# Altium PCB PCB.PcbDoc (part 4 of 4)
Units mm, origin at the board's own origin, x right, y up, seen from the top; angles counter-clockwise.
Board outline 133.1 x 64.1 mm, 6 copper layers (Top Layer, L02_GND1, L03_PWR1, L04_PWR2, L05_GND2, Bottom Layer), stack 2.464 mm thick; 295 components, 194 nets, 953 pads, 663 vias.
Unrouted connection lines stored in the file: 127.
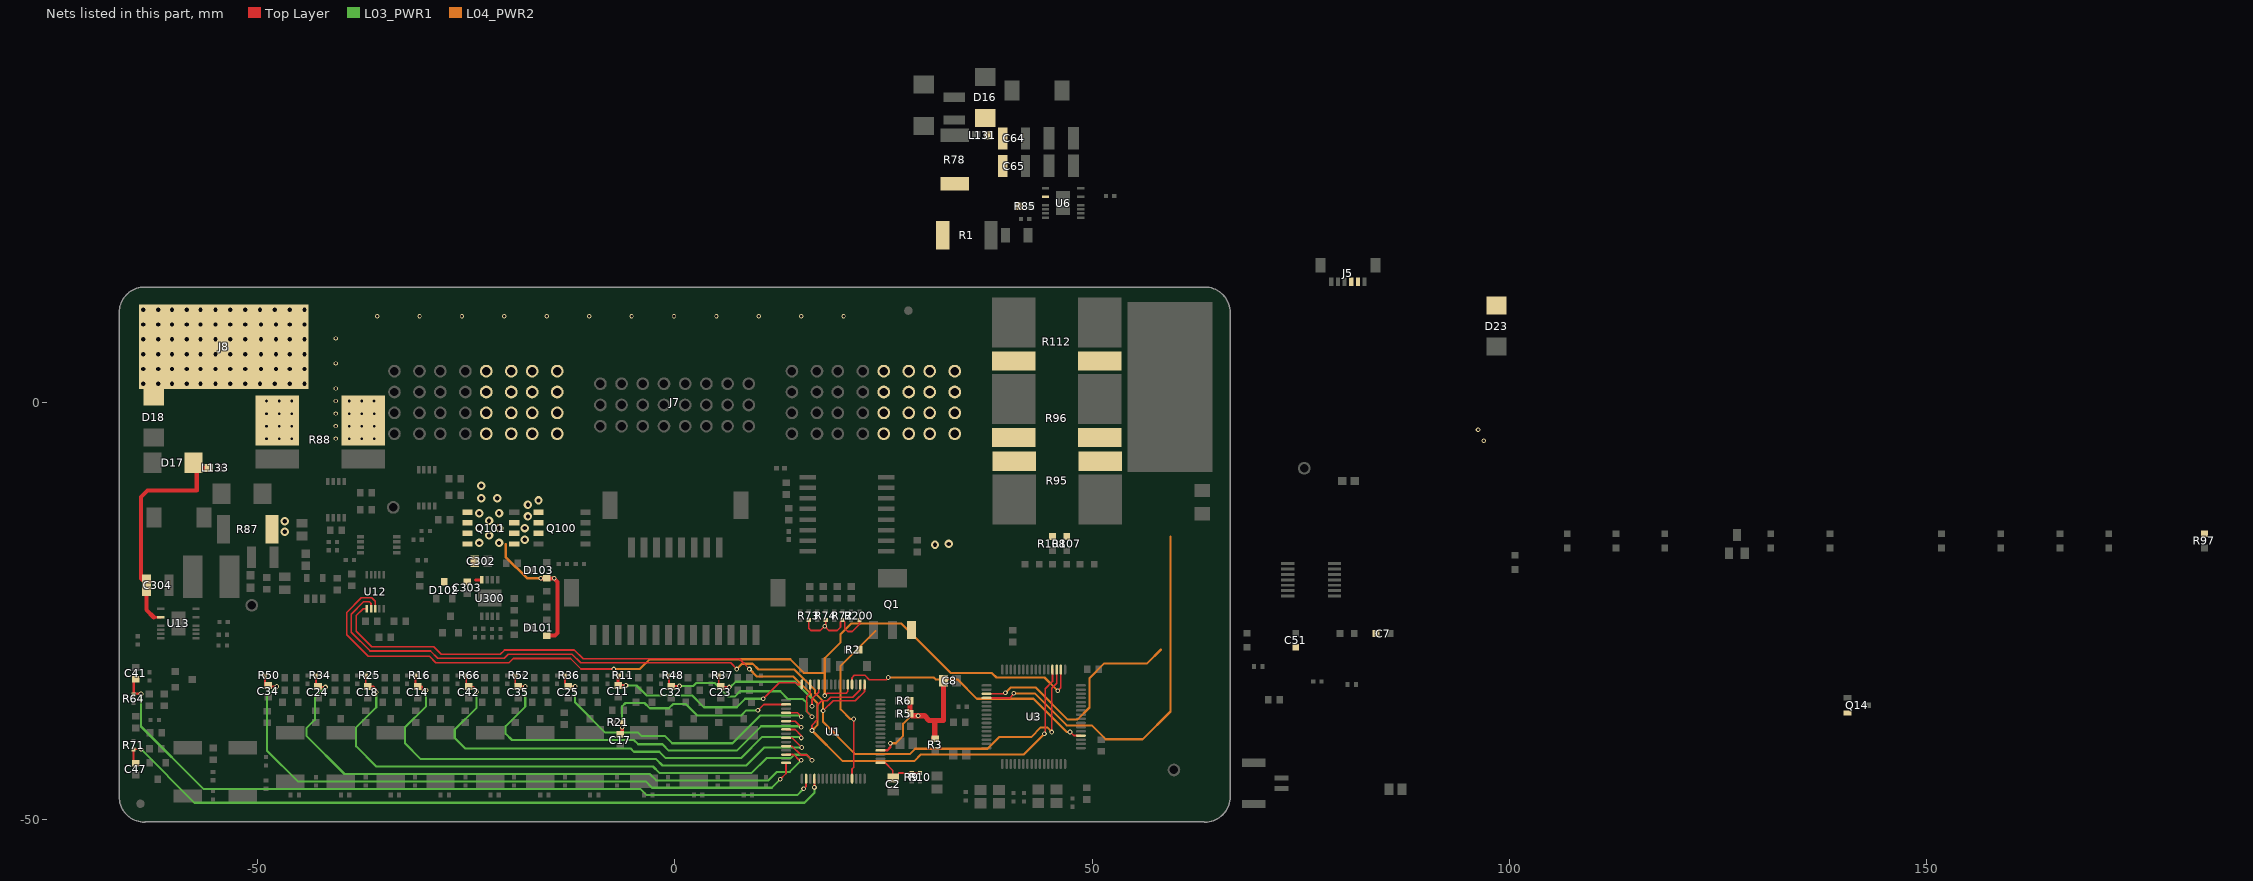
[diagram p8: the nets of this part, all layers, seen from the top]

## Via types
v1: diameter 0.559, hole 0.305, Top Layer to Bottom Layer, tented both sides, 284 vias
v2: diameter 1.016, hole 0.508, Top Layer to Bottom Layer, tented top, 144 vias
v3: diameter 0.762, hole 0.381, Top Layer to Bottom Layer, 96 vias
v4: diameter 0.508/0.508/0.508/0.508/0.508/0.508 (per signal layer), hole 0.305, Top Layer to Bottom Layer, tented both sides, 51 vias
v5: diameter 0.508/0.508/0.508/0.508/0.508/0.508 (per signal layer), hole 0.305, Top Layer to Bottom Layer, 30 vias
v6: diameter 1.016, hole 0.508, Top Layer to Bottom Layer, tented both sides, 26 vias
v7: diameter 1.016, hole 0.508, Top Layer to Bottom Layer, 16 vias
v8: diameter 0.508, hole 0.305, Top Layer to Bottom Layer, tented both sides, 10 vias
v9: diameter 0.559, hole 0.305, Top Layer to Bottom Layer, 6 vias

## Nets (pads, with @x,y where several pads share a name; then routed paths per layer and width w, separated by ;. In a path a pad name is that pad's centre, name@x,y a point inside that pad or via, vN(x,y) a via of type N, cw(c..) or ccw(c..) an arc to the next point about the centre after c; other vN are vias at no path point) (continued)
POS: C7.1 C302.2 C303.1 D23.2 D101.A D102.C D103.A J7.P3 J7.P4 J7.P7 J7.P8 Q101.5 Q101.6 Q101.7 Q101.8 R88.2 U300.8 | length 18.8
  Top Layer w0.381: -23.829,-21.259 U300.8@-23.188,-21.256
  Top Layer w0.508: v1(-16.052,-21.081) -15.318,-21.081 D103.A@-15.316,-21.08 -14.451,-21.08 -14.03,-21.501 -14.03,-27.619 -14.345,-27.934 D101.A@-15.316,-27.934
  L04_PWR2 w0.203: v7@-21.06,-16.848 cw(c-21.04,-16.848) v7(-21.04,-16.828)
  L04_PWR2 w0.254: -17.446,-21.08 -17.445,-21.081 ; v1@-14.453,-21.081 v1@-14.451,-21.08
  L04_PWR2 w0.305: -20.245,-17.007 -20.245,-18.53 -17.625,-21.082 -17.446,-21.08 ; -17.445,-21.081 v1@-14.453,-21.081
  other v1: -14.411,-21.081
  other v4: -35.645,10.325 -30.565,10.325 -25.485,10.325 -20.405,10.325 -15.325,10.325 -10.245,10.325 -5.165,10.325 -0.085,10.325 4.995,10.325 10.075,10.325 15.155,10.325 20.235,10.325
  other v5: -39,-4.33 -37.5,-4.33 -36,-4.33 -39,-2.83 -37.5,-2.83 -36,-2.83 -39,-1.33 -37.5,-1.33 -36,-1.33 -39,0.17 -37.5,0.17 -36.023,0.17
  other v6: -23.174,-11.49 -21.269,-11.49 -23.174,-9.966
  other v7: -23.428,-16.828 -22.234,-15.939 -23.428,-15.05 -21.04,-15.05 -22.234,-14.161 -23.428,-13.272 -21.04,-13.272
  other v8: -40.6,-4.33 -40.6,-2.83 -40.6,-1.33 -40.6,0.17 -40.6,1.67 -40.6,4.67 -40.6,7.67
PWRS: Q100.1 Q100.2 Q100.3 Q101.1 Q101.2 Q101.3
  other v6: -17.967,-16.443 -17.967,-15.046 -17.586,-13.649 -17.586,-12.252 -16.316,-11.744
REF_M: C2.2 R9.1 R10.2 U1.33 | length 6.2
  Top Layer w0.203: U1.33@24.64,-43.18 25.21,-43.18 26.128,-44.098 26.15,-44.885 26.22,-44.951 26.254,-44.983 26.255,-45.013 26.877,-44.391 R9.1@28.388,-44.391 R10.2@29.404,-44.391
SHUNT_SRN: R95.4 R96.3 R108.1 R112.3
SHUNT_SRP: R95.3 R96.4 R107.1 R112.4
SPI1_NSS: U1.52 U3.20 | length 31.5
  Top Layer w0.203: U1.52@21.24,-33.78 21.24,-32.989 21.53,-32.699 22.8,-32.699 23.308,-33.207 25.34,-33.207 v1(25.594,-32.953) ; v1(47.356,-39.481) 47.386,-39.481 47.808,-39.902 U3.20@48.659,-39.902
  L04_PWR2 w0.254: v1(25.594,-32.953) 31.03,-32.953 31.259,-33.182 33.885,-33.182 36.196,-35.493 42.981,-35.493 46.969,-39.481 v1(47.356,-39.481)
SPI_FRM_MISO: U1.49 U3.35 U12.7 | length 114.5
  Top Layer w0.203: U12.7@-36.374,-24.705 -36.374,-24.075 -36.559,-23.889 -37.286,-23.889 -38.754,-25.357 -38.754,-27.515 -36.491,-29.778 -29.25,-29.778 -28.387,-30.642 -20.419,-30.642 -19.937,-30.159 -12.305,-30.159 -11.263,-31.201 6.698,-31.201 v1(7.433,-31.937) ; v1(17.775,-36.952) 18.98,-35.747 21.636,-35.747 22.74,-34.643 U1.49@22.74,-33.78 ; v1(45.175,-39.488) 45.175,-34.238 45.759,-33.654 U3.35@45.759,-32.002
  L04_PWR2 w0.254: v1(7.433,-31.937) 8.068,-31.302 9.338,-31.302 10.031,-31.994 14.343,-31.994 16.824,-34.475 16.824,-34.848 17.775,-35.8 v1(17.775,-36.952) 17.775,-38.286 21.586,-42.097 28.209,-42.097 28.814,-41.492 37.466,-41.492 38.858,-40.1 42.704,-40.1 43.873,-38.932 44.618,-38.932 v1(45.175,-39.488)
SPI_FRM_MOSI: U1.50 U3.36 U12.6 | length 115.1
  Top Layer w0.203: U12.6@-36.874,-24.705 -37.322,-24.705 -38.137,-25.521 -38.137,-27.413 -36.281,-29.27 -28.863,-29.27 -27.974,-30.159 -20.888,-30.159 -20.38,-29.651 -12.017,-29.651 -10.957,-30.71 7.731,-30.71 v1(8.957,-31.937) ; v1(16.45,-39.303) 16.45,-38.668 17.094,-38.024 17.094,-36.262 17.609,-35.747 18.269,-35.747 18.712,-35.304 21.346,-35.304 22.24,-34.41 U1.50@22.24,-33.78 ; v1(44.293,-39.686) 44.375,-39.604 44.375,-34.304 45.259,-33.419 U3.36@45.259,-32.002
  L04_PWR2 w0.254: v1(8.957,-31.937) 9.846,-32.826 14.214,-32.826 16.298,-34.911 16.298,-35.214 17.094,-36.01 17.094,-38.659 v1(16.45,-39.303) 20.082,-42.935 28.739,-42.935 29.494,-42.18 41.799,-42.18 v1(44.293,-39.686)
SPI_FRM_SCK: U1.53 U3.34 U12.8 | length 112.9
  Top Layer w0.203: U12.8@-35.874,-24.705 -35.874,-23.813 -36.28,-23.406 -37.544,-23.406 -39.303,-25.165 -39.303,-27.812 -36.702,-30.413 -29.37,-30.413 -28.608,-31.175 -19.859,-31.175 -19.351,-30.667 -12.489,-30.667 -11.219,-31.937 v1(-7.299,-31.937) ; v1(17.974,-35.112) 18.264,-34.823 20.55,-34.823 20.74,-34.632 U1.53@20.74,-33.78 ; v1(45.887,-34.547) 46.259,-34.175 U3.34@46.259,-32.002 U3.34@46.259,-32.002
  L04_PWR2 w0.254: v1(-7.299,-31.937) -4.174,-31.937 -3.006,-30.769 13.841,-30.769 15.466,-32.394 17.974,-32.394 17.974,-30.634 19.879,-28.729 19.879,-27.746 21.124,-26.501 27.169,-26.501 33.095,-32.428 38.018,-32.428 38.543,-32.953 44.293,-32.953 v1(45.887,-34.547) ; v1@17.974,-35.087 17.974,-32.395
TEMPREG_M: R72.2 R73.2 R74.2 R200.2 U1.29 | length 31.7
  Top Layer w0.203: R73.2@16.057,-26.045 16.057,-27.069 16.311,-27.323 17.442,-27.323 v1@17.956,-26.809 ; R74.2@18.089,-26.045 18.089,-26.676 v1@17.956,-26.809 ; U1.29@21.24,-45.08 21.24,-43.915 21.447,-43.708 v1(21.447,-37.922) ; R200.2@22.137,-26.045 22.137,-26.577 21.264,-27.45 20.74,-27.45 20.375,-27.085 20.375,-26.299 R72.2@20.121,-26.045 19.867,-26.299 19.867,-26.942 19.486,-27.323 18.47,-27.323 v1(17.962,-26.815) v1@17.956,-26.809
  L04_PWR2 w0.254: v1(21.447,-37.922) 21.033,-37.922 19.879,-36.768 19.879,-31.556 24.07,-27.365
UART4_RX: J5.3 U3.52 | length 46.9
  Top Layer w0.203: U3.52@37.359,-35.402 40.138,-35.402 40.627,-34.913 v1(40.627,-34.848)
  L04_PWR2 w0.254: v1(40.627,-34.848) 43.114,-34.848 46.949,-38.684 49.958,-38.684 51.628,-40.353 56.053,-40.353 59.387,-37.02 59.387,-16.072
  other v1: 96.24,-3.258
UART4_TX: J5.2 U3.51 | length 28.3
  Top Layer w0.203: U3.51@37.359,-34.902 39.492,-34.902 v1(39.625,-34.769)
  L04_PWR2 w0.254: v1(39.625,-34.769) 40.243,-34.151 43.264,-34.151 47.106,-37.992 48.235,-37.992 49.688,-36.539 49.688,-33.025 51.461,-31.252 56.595,-31.252 58.254,-29.593
  other v1: 96.919,-4.574
V3P3: C8.1 Q1.3 R3.2 R5.1 R6.1 U1.36 | length 19.8
  Top Layer w0.279: U1.36@24.64,-41.68 25.453,-41.68 25.848,-41.284 v1(25.848,-40.827)
  Top Layer w0.635: R5.1@28.199,-37.271 R6.1@28.199,-35.747 ; R5.1@28.453,-37.525 v1(29.15,-37.525) 29.912,-37.525 30.481,-38.094 31.122,-38.094 31.16,-38.094 ; R3.2@31.008,-40.213 31.16,-40.061 31.16,-38.094 ; C8.1@32.198,-33.334 32.198,-38.094 31.16,-38.094
  L04_PWR2 w0.254: v1(25.848,-40.827) 26.483,-40.827 27.372,-39.938 27.372,-38.482 28.329,-37.525 v1(29.15,-37.525)
VBAT: C51.1 D18.2 J8.1 Q14.2 R1.2 R2.1 R78.2 R87.2 R88.1 R97.2
  other v2: -63.652,2.225 -61.874,2.225 -60.223,2.225 -58.445,2.225 -56.794,2.225 -55.016,2.225 -53.238,2.225 -51.46,2.225 -49.682,2.225 -47.904,2.225 -46.126,2.225 -44.348,2.225 -63.652,4.003 -61.874,4.003 -60.223,4.003 -58.445,4.003 -56.794,4.003 -55.016,4.003 -53.238,4.003 -51.46,4.003 -49.555,4.003 -47.777,4.003 -46.126,4.003 -44.348,4.003 -63.652,5.781 -61.874,5.781 -60.223,5.781 -58.445,5.781 -56.794,5.781 -55.016,5.781 -53.238,5.781 -51.46,5.781 -49.555,5.781 -47.777,5.781 -46.126,5.781 -44.348,5.781 -63.652,7.559 -61.874,7.559 -60.223,7.559 -58.445,7.559 -56.794,7.559 -55.016,7.559 -53.238,7.559 -51.46,7.559 -49.555,7.559 -47.777,7.559 -46.126,7.559 -44.348,7.559 -63.652,9.337 -61.874,9.337 -60.223,9.337 -58.445,9.337 -56.794,9.337 -55.016,9.337 -53.238,9.337 -51.46,9.337 -49.555,9.337 -47.777,9.337 -46.126,9.337 -44.348,9.337 -63.652,11.115 -61.874,11.115 -60.223,11.115 -58.445,11.115 -56.794,11.115 -55.016,11.115 -53.238,11.115 -51.46,11.115 -49.682,11.115 -47.904,11.115 -46.126,11.115 -44.348,11.115
  other v5: -48.9,-4.33 -47.4,-4.33 -45.9,-4.33 -48.9,-2.83 -47.4,-2.83 -45.9,-2.83 -48.9,-1.33 -47.4,-1.33 -45.9,-1.33 -48.9,0.17 -47.4,0.17 -45.9,0.17
  other v6: 31.182,-17.038 32.833,-16.955 -46.725,-15.492 -46.725,-14.222
VBAT-IN: C304.1 D17.2 L133.2 U13.3 | length 27
  Top Layer w0.203: C304.1@-63.284,-21.897 C304.1@-63.284,-21.732
  Top Layer w0.254: -62.402,-25.728 U13.3@-61.553,-25.728
  Top Layer w0.508: C304.1@-63.284,-21.897 -63.284,-24.847 -62.402,-25.728 ; C304.1@-63.284,-21.732 -63.926,-21.089 -63.926,-11.317 -63.16,-10.55 -57.259,-10.55 -57.259,-7.9 -57.209,-7.85 L133.2@-55.791,-7.85
VBAT-VIN: C64.1 C65.1 D16.2 L131.2 R85.1 U6.3
VC0: C47.1 R71.2 U1.20 | length 88
  Top Layer w0.203: C47.1@-64.83,-43.175 R71.2@-64.83,-41.581 ; R71.2@-64.812,-41.564 v1(-63.926,-41.564) ; v1(16.74,-46.125) U1.20@16.74,-45.08
  Top Layer w0.254: R71.2@-64.83,-41.581 R71.2@-64.812,-41.564
  L03_PWR1 w0.254: v1(-63.926,-41.564) -57.537,-47.953 15.547,-47.953 16.74,-46.76 v1(16.74,-46.125)
VC1: C41.1 R64.2 U1.18 | length 91.2
  Top Layer w0.203: v1(15.434,-46.288) 15.74,-45.982 U1.18@15.74,-45.08
  Top Layer w0.305: R64.2@-64.83,-34.993 R64.2@-64.83,-34.92 ; C41.1@-64.576,-33.145 -64.83,-33.399 R64.2@-64.83,-34.92 ; v1(-63.937,-34.92) R64.2@-64.83,-34.92
  L03_PWR1 w0.254: v1(-63.937,-34.92) -63.937,-38.814 -56.463,-46.288 -4.124,-46.288 -3.362,-47.05 14.672,-47.05 v1(15.434,-46.288)
VC2: C34.1 R50.2 U1.16 | length 76.8
  Top Layer w0.203: R50.2@-49.074,-32.699 -49.074,-33.912 -48.955,-34.031 v1(-47.685,-34.031) ; v1(12.64,-45.145) 13.34,-44.445 U1.16@13.34,-43.18
  L03_PWR1 w0.254: v1(-47.685,-34.031) -48.853,-35.199 -48.853,-41.691 -45.145,-45.399 -3.489,-45.399 -2.727,-46.161 11.624,-46.161 v1(12.64,-45.145)
VC3: C24.1 R34.2 U1.14 | length 73.8
  Top Layer w0.203: R34.2@-42.978,-32.699 -42.978,-33.785 C24.1@-42.732,-34.031 -42.667,-34.096 v1(-41.843,-34.096) ; U1.14@13.34,-42.18 14.254,-42.18 14.933,-42.859 v1(15.18,-42.859)
  L03_PWR1 w0.254: v1(-41.843,-34.096) -43.113,-35.366 -43.113,-38.033 -44.129,-39.049 -44.129,-39.938 -39.557,-44.51 -2.981,-44.51 -2.219,-45.272 11.243,-45.272 12.259,-44.256 13.783,-44.256 v1(15.18,-42.859)
VC4: C18.1 R25.2 U1.12 | length 71.3
  Top Layer w0.203: R25.2@-37.009,-32.699 -37.009,-33.785 C18.1@-36.763,-34.031 -36.066,-34.031 -35.747,-34.35 v1(-35.747,-34.731) ; U1.12@13.34,-41.18 14.048,-41.18 15.092,-42.224 15.815,-42.224 v1(16.45,-42.859)
  L03_PWR1 w0.254: v1(-35.747,-34.731) -35.747,-36.509 -38.16,-38.922 -38.16,-41.208 -35.747,-43.621 -2.6,-43.621 -1.838,-44.383 9.211,-44.383 10.989,-42.605 13.885,-42.605 14.291,-42.199 15.79,-42.199 v1(16.45,-42.859)
VC5: C14.1 R16.2 U1.10 | length 62.2
  Top Layer w0.203: R16.2@-31.04,-32.699 -31.04,-33.785 C14.1@-30.794,-34.031 -30.249,-34.031 -30.249,-34.477 v1(-29.778,-34.477) ; U1.10@13.34,-40.18 14.053,-40.18 v1(15.208,-41.335)
  L03_PWR1 w0.254: v1(-29.778,-34.477) -29.778,-36.382 -32.318,-38.922 -32.318,-40.827 -30.413,-42.732 -2.219,-42.732 -1.457,-43.494 8.576,-43.494 10.735,-41.335 v1(15.208,-41.335)
VC6: C42.1 R66.2 U1.8 | length 55.5
  Top Layer w0.203: R66.2@-25.071,-32.699 -24.971,-32.799 -24.971,-33.758 C42.1@-24.698,-34.031 -24.673,-34.056 -24.103,-34.056 -23.734,-34.425 v1(-23.734,-34.671) ; U1.8@13.34,-39.18 14.422,-39.18 15.18,-39.938 v1(15.18,-40.192)
  L03_PWR1 w0.254: v1(-23.734,-34.671) -23.734,-36.561 -26.349,-39.176 -26.349,-40.192 -25.079,-41.462 -5.267,-41.462 -4.886,-41.843 -1.838,-41.843 -1.076,-42.605 7.941,-42.605 10.481,-40.065 15.053,-40.065 v1(15.18,-40.192)
VC7: C35.1 R52.2 U1.6 | length 48.6
  Top Layer w0.203: R52.2@-19.102,-32.699 -19.102,-33.658 C35.1@-18.729,-34.031 v1(-17.902,-34.031) ; U1.6@13.34,-38.18 14.438,-38.18 v1(15.18,-38.922)
  L03_PWR1 w0.254: v1(-17.902,-34.031) -17.902,-36.444 -20.253,-38.795 -20.253,-39.684 -19.491,-40.446 -4.886,-40.446 -4.378,-40.954 -1.457,-40.954 -0.695,-41.716 7.433,-41.716 10.354,-38.795 15.053,-38.795 v1(15.18,-38.922)
VC8: C25.1 R36.2 U1.4 | length 36.8
  Top Layer w0.203: R36.2@-13.133,-32.699 -13.133,-33.658 C25.1@-12.76,-34.031 v1(-11.936,-34.031) ; U1.4@13.34,-37.18 14.708,-37.18 v1(15.18,-37.652)
  L03_PWR1 w0.254: v1(-11.936,-34.031) -11.936,-35.936 -8.315,-39.557 -4.378,-39.557 -3.997,-39.938 -1.203,-39.938 -0.314,-40.827 6.925,-40.827 10.227,-37.525 15.053,-37.525 v1(15.18,-37.652)
VC9: C17.1 R21.2 U1.2 | length 25.5
  Top Layer w0.203: v1(9.973,-36.89) 10.683,-36.18 U1.2@13.34,-36.18
  Top Layer w0.381: C17.1@-6.537,-39.746 -6.291,-39.5 v1(-6.291,-38.922) R21.2@-6.291,-38.287
  L03_PWR1 w0.254: v1(-6.291,-38.922) -6.291,-36.39 -5.902,-36.001 -3.616,-36.001 -2.981,-36.636 -0.695,-36.636 -0.187,-36.128 1.337,-36.128 2.734,-37.525 7.941,-37.525 8.576,-36.89 v1(9.973,-36.89)
VC10: C11.1 R11.2 U1.64 | length 25.7
  Top Layer w0.203: v1(10.608,-35.493) 12.513,-33.588 14.472,-33.588 14.664,-33.78 U1.64@15.24,-33.78
  Top Layer w0.305: R11.2@-6.656,-32.699 -6.791,-32.834 C11.1@-6.791,-33.904 v1(-5.84,-33.904)
  L03_PWR1 w0.254: v1(-5.84,-33.904) -4.57,-33.904 -3.362,-35.112 2.099,-35.112 3.496,-36.509 7.433,-36.509 8.449,-35.493 v1(10.608,-35.493)
VC11: C32.1 R48.2 U1.62 | length 25.6
  Top Layer w0.203: R48.2@-0.687,-32.699 -0.687,-33.785 C32.1@-0.441,-34.031 -0.379,-33.969 v1(0.575,-33.969) ; U1.62@16.24,-33.78 16.24,-34.814 15.818,-35.236 15.818,-37.02 v1(16.45,-37.652)
  L03_PWR1 w0.254: v1(0.575,-33.969) 2.226,-33.969 2.607,-33.588 4.766,-33.588 6.424,-35.245 7.173,-35.245 7.814,-34.604 12.64,-34.604 13.561,-35.524 15.342,-35.524 15.815,-35.997 15.815,-37.017 v1(16.45,-37.652)
VC12: C23.1 R37.2 U1.60 | length 17.3
  Top Layer w0.203: R37.2@5.282,-32.699 5.282,-33.785 C23.1@5.528,-34.031 5.593,-34.096 v1(6.544,-34.096) ; v1(16.45,-36.382) 16.45,-35.493 17.24,-34.703 U1.60@17.24,-33.78
  L03_PWR1 w0.254: v1(6.544,-34.096) 6.671,-34.096 7.306,-33.461 14.418,-33.461 16.45,-35.493 v1(16.45,-36.382)
pads on no net: D15.1 D100.2 D101.2 D102.2 D103.2 FD1. FD2. J1. J1.14 J4. J5. J7.5 J7.6 J7.8 J7.9 J7.10 J7.11 J7.12 J7.13 J7.14 J7.15 J7.16 J7.24 R79.2 U1.0 U1.23 U1.25 U1.27 U1.31 U1.37 U1.39 U1.48 U1.51 U1.54 U1.55 U1.56 U1.57 U3.0 U3.1 U3.2 U3.8 U3.9 U3.10 U3.15 U3.16 U3.17 U3.21 U3.22 U3.23 U3.25 U3.26 U3.28 U3.29 U3.33 U3.41 U3.50 U3.54 U3.56 U3.57 U3.58 U3.59 U3.61 U3.62 U5.4 U5.6 U6.12 U13.12 U300.5
copper on no net: | length 2.2
  Top Layer w0.305: -8.11,-13.522 -7.983,-13.395 ; 11.61,-23.635 12.339,-22.906 13.033,-23.599
  other v1: 25.975,-39.684

## Polygon pours and split planes (outlines as drawn)
VBAT on L04_PWR2 "L04_PWR2-VBAT" (solid, pour order 67): -50.375,-16.955 -64.487,-2.817 -64.487,11.173 -63.458,12.201 -43.148,12.201 -43.148,-0.716 -45.344,-2.912 -45.344,-14.944 -47.355,-16.955
POS on L04_PWR2 "L04_PWR2-POS" (solid, pour order 101): -16.516,-6.607 33.198,-6.607 35.44,-4.365 35.44,10.867 34.175,12.133 -41.578,12.133 -42.446,11.264 -42.447,-5.089 -40.929,-6.607 -24.986,-6.607 -24.986,-17.42 -20.1,-17.42 -20.1,-10.404 -16.516,-10.404
5VOUT_LDO on L04_PWR2 "L04_PWR2-5VOUT_LDO" (solid, pour order 85): -35.683,-12.359 -34.715,-11.391 -32.278,-11.391 -31.501,-12.115 -31.501,-19.634 -35.683,-19.634
5VOUT_LDO on L04_PWR2 "LY4_VCC-No Net" (solid, remove dead copper, pour order 47): -46.034,-17.586 -46.034,-21.574 -39.812,-27.796 -36.36,-27.796 -35.493,-26.928 -35.493,-22.666 -35.493,-21.523 -35.366,-21.396 -34.477,-21.396 -31.501,-21.396 -31.501,-17.586 -39.176,-17.586 -40.208,-16.554 -45.002,-16.554
CHG_IN on L04_PWR2 "LY4_VCC-No Net" (solid, remove dead copper, pour order 42): -7.553,-7.553 -14.157,-7.553 -15.046,-8.442 -15.046,-17.459 -7.553,-17.459
PWRS on L04_PWR2 "LY4_VCC-No Net" (solid, remove dead copper, pour order 38): -15.935,-11.236 -18.221,-11.236 -18.475,-11.49 -18.602,-11.617 -18.602,-12.76 -18.602,-16.824 -18.348,-17.078 -16.189,-17.078 -15.935,-16.824 -15.935,-12.633 -15.681,-12.379 -15.681,-11.49 -15.935,-11.236
3V3 on L03_PWR1 "L03_PWR1-3V3" (solid, pour order 55): 47.333,-47.707 44.898,-45.272 44.898,-43.621 35.881,-43.621 34.885,-42.624 34.885,-35.906 38.092,-32.699 36.568,-31.175 35.119,-31.175 25.213,-21.269 25.213,-19.043 25.638,-18.618 33.706,-18.618 36.135,-16.189 52.01,-16.189 62.043,-26.222 62.043,-46.415 60.751,-47.707
VBAT on L03_PWR1 "LY4_VCC-No Net" (solid, remove dead copper, pour order 27): -45.89,-9.855 -46.669,-10.633 -46.669,-15.608 -44.891,-17.348 -44.891,-22.539 -44.002,-23.428 -41.462,-23.428 -38.668,-26.222 -36.763,-28.127 -22.285,-28.127 -16.316,-22.158 -14.665,-22.158 10.354,-22.158 15.053,-17.459 15.561,-16.951 18.339,-14.173 34.313,-14.173 35.615,-15.475 32.853,-18.237 22.165,-18.237 21.149,-19.253 21.149,-20.507 13.239,-28.417 -15.717,-28.417 -19.999,-32.699 -39.811,-32.699 -42.859,-29.651 -42.859,-28.762 -42.859,-27.925 -43.812,-26.972 -46.669,-26.972 -47.443,-26.972 -50.816,-23.599 -65.041,-9.374 -65.041,12.527 -42.873,12.527 -42.351,12.005 -42.351,-6.316
POS on L03_PWR1 "POS_L03_P103" (solid, pour order 103): -16.512,-6.585 33.203,-6.585 35.445,-4.344 35.445,10.889 34.18,12.154 -41.573,12.154 -42.442,11.285 -42.442,-5.068 -40.924,-6.585 -24.99,-6.585 -24.99,-16.481 -20.096,-16.481 -20.096,-10.382 -16.512,-10.382
CHG_IN on L03_PWR1 "LY4_VCC-No Net" (solid, remove dead copper, pour order 36): -7.68,-7.426 -7.68,-17.332 -15.046,-17.332 -15.3,-17.078 -15.3,-13.141 -14.792,-12.633 -14.792,-7.934 -14.284,-7.426
PWRS on L03_PWR1 "LY4_VCC-No Net" (solid, remove dead copper, pour order 37): -15.935,-11.236 -18.221,-11.236 -18.475,-11.49 -18.602,-11.617 -18.602,-12.76 -18.602,-16.824 -18.348,-17.078 -16.189,-17.078 -15.935,-16.824 -15.935,-12.633 -15.681,-12.379 -15.681,-11.49 -15.935,-11.236
NEG on L02_GND1 "NEG_L02_P114" (solid, pour order 114): -61.5,-13.301 -45.101,-13.301 -42.986,-9.615 -29.493,-9.615 -29.493,-6.057 65.427,-6.057 65.427,12.084 -42.293,12.084 -42.293,-2.45 -61.5,-2.45
GND on L02_GND1 "NONET_L02_P133" (solid, shelved, pour order 133): -65.5,-46.03 -62.3,-49.23 62.3,-49.23 65.5,-46.03 65.5,-7.03 -60.797,-7.03 -63.411,-4.416 -65.099,-4.416 -65.5,-4.81
CHG_IN on L02_GND1 "LY4_VCC-No Net" (solid, remove dead copper, pour order 51): -7.553,-7.426 -9.458,-5.521 -14.919,-5.521 -22.285,-5.521 -23.682,-4.124 -23.682,5.02 -27.619,5.02 -28.79,3.848 -28.79,-5.746 -27.619,-6.918 -24.698,-6.918 -21.523,-10.093 -15.681,-10.093 -14.919,-10.855 -14.919,-17.4 -10.22,-17.4 -10.22,-9.712 -8.442,-9.712 -7.553,-8.823
PWRS on L02_GND1 "LY4_VCC-No Net" (solid, remove dead copper, pour order 46): -15.935,-11.236 -17.586,-11.236 -18.221,-11.871 -18.221,-12.633 -18.703,-13.116 -18.703,-16.646 -18.272,-17.078 -16.57,-17.078 -15.935,-16.443 -15.681,-16.189 -15.681,-11.871 -15.681,-11.49
no net on Bottom Overlay "TOP-No Net" (solid, pour order 2): 49.237,-39.542 46.922,-40.878 49.235,-42.213 49.235,-44.308 47.424,-45.354 45.109,-44.017 45.109,-46.688 43.295,-47.736 41.484,-46.69 41.484,-44.017 39.17,-45.353 37.358,-44.307 37.358,-42.214 39.672,-40.878 37.358,-39.542 37.358,-37.449 39.171,-36.403 41.484,-37.738 41.484,-35.066 43.297,-34.02 45.109,-35.067 45.109,-37.738 47.422,-36.403 49.237,-37.451 49.237,-39.542
BATTERY- on Top Layer "BATTERY-_L01_P142" (solid, remove dead copper, pour order 142): 64.45,-11.35 57.152,-11.35 53.852,-14.65 48.25,-14.65 48.25,12.6 64.025,12.6 64.45,12.175
no net on Top Layer "NONET_L01_P141" (solid, remove dead copper, pour order 141): 48.3,12.6 57.65,12.6 58.7,12.6
no net on Top Layer "NONET_L01_P140" (solid, remove dead copper, pour order 140): 48.338,12.55
VBAT-VIN on Top Layer "VBAT-VIN_L01_P138" (solid, remove dead copper, pour order 138): 37.1,31.533 37.1,32.525 36.612,33.013 35.981,33.013 35.981,35.182 38.382,35.182 39.85,33.715 39.85,30.35 38.283,30.35
NetC3_1 on Top Layer "NETC3_1_L01_P139" (solid, remove dead copper, pour order 139): 35.942,32.45 34.799,33.592 34.799,34.15 30.379,34.15 30.379,32.714 31.893,31.2 35.287,31.2 35.941,31.855
BATTERY- on Top Layer "LY4_VCC-No Net" (solid, remove dead copper, pour order 43): 80.16,44.329 80.16,30.532 103.198,30.532 103.198,32.797 101.731,34.264 101.731,44.075 101.477,44.329
GND on Top Layer "GND_L01_P136" (solid, remove dead copper, pour order 136): -49.403,-17.214 -46.034,-17.214 -46.034,-21.421 -49.403,-21.421
VBAT on Top Layer "VBAT_L01_P135" (solid, remove dead copper, pour order 135): -49.074,-13.457 -46.543,-13.457 -46.15,-13.85 -46.15,-15.75 -47.355,-16.955 -49.074,-16.955
POS on Top Layer "POS_L01_P105" (solid, pour order 105): 33.582,-5.068 34.6,-4.05 34.6,6.533 28.979,12.154 -41.611,12.154 -42.48,11.285 -42.48,-5.068
POS on Top Layer "Top Layer-POS" (solid, pour order 83): -23.555,-20.891 -23.555,-19.783 -23.555,-16.089 -27.934,-16.089 -27.934,-21.881 -23.555,-21.881
CHG_IN on Top Layer "LY4_VCC-No Net" (solid, remove dead copper, pour order 44): -7.553,-7.426 -9.458,-5.521 -14.919,-5.521 -22.681,-5.521 -23.682,-4.521 -23.682,5.02 -28.583,5.02 -29.359,4.245 -29.359,-6.07 -28.511,-6.918 -24.698,-6.918 -21.523,-10.093 -15.681,-10.093 -14.919,-10.855 -14.919,-17.4 -10.22,-17.4 -10.22,-9.712 -8.442,-9.712 -7.553,-8.823
NEG on L05_GND2 "NEG_L05_P110" (solid, pour order 110): -61.5,-13.269 -45.087,-13.269 -42.972,-9.583 -29.478,-9.583 -29.478,-6.026 65.441,-6.026 65.441,12.115 -42.236,12.115 -42.236,-2.45 -61.5,-2.45
GND on L05_GND2 "NONET_L05_P131" (solid, shelved, pour order 131): -65.5,-45.93 -62.3,-49.13 62.3,-49.13 65.5,-45.93 65.5,-6.93 -60.798,-6.93 -63.412,-4.315 -65.1,-4.315 -65.5,-4.709
CHG_IN on L05_GND2 "LY4_VCC-No Net" (solid, remove dead copper, pour order 53): -7.553,-7.426 -9.458,-5.521 -14.919,-5.521 -22.822,-5.521 -23.682,-4.662 -23.682,5.02 -28.464,5.02 -29.019,4.465 -29.019,-5.518 -27.619,-6.918 -24.698,-6.918 -21.523,-10.093 -15.681,-10.093 -14.919,-10.855 -14.919,-17.4 -10.22,-17.4 -10.22,-9.712 -8.442,-9.712 -7.553,-8.823
PWRS on L05_GND2 "LY4_VCC-No Net" (solid, remove dead copper, pour order 45): -15.935,-11.236 -17.586,-11.236 -18.221,-11.871 -18.221,-12.633 -19.11,-13.522 -19.11,-14.284 -19.11,-16.824 -18.856,-17.078 -16.062,-17.078 -15.808,-16.824 -15.808,-11.363
GND on Bottom Layer "Bottom Layer-GND" (solid, shelved, pour order 129): -65.5,-46.03 -62.109,-49.421 62.109,-49.421 65.5,-46.03 65.5,-7.03 -60.798,-7.03 -63.412,-4.415 -65.1,-4.415 -65.5,-4.81
NEG on Bottom Layer "NONET_L06_P112" (solid, shelved, pour order 112): -46.143,-13.301 -45.101,-13.301 -42.986,-9.615 -29.493,-9.615 -29.493,-6.057 64.784,-6.057 64.784,12.084 -42.35,12.084 -42.35,-5.801 -46.143,-5.801
VBAT on Bottom Layer "Bottom Layer-VBAT" (solid, pour order 115): -64.215,11.84 -64.215,1.517 -43.739,1.517 -43.739,11.84

## Other copper
Top Layer:
  pour cut-out: 48.25,-2.84 53.781,-2.84 53.781,-8.405 48.25,-8.405
  region net NetC68_1: 44.767,39.5 47.709,39.5 49.134,38.075 49.134,26.41 46.96,26.41 46.96,33.802 44.788,33.802
  region net GND: 47.727,25.875 47.727,21.616 48.655,21.616 49.682,20.589 49.682,16.719 49.506,16.543 49.487,16.561 44.78,16.561 43.981,17.36 43.981,21.616 45.282,21.616 45.282,25.875 44.944,26.213 42.068,26.213 41.182,27.239 41.182,33.16 41.317,33.295 46.705,33.295 46.705,25.875 47.55,25.875
  region net GND: -43.29,-21.015 -42.859,-21.015 -42.859,-21.858 -42.812,-21.904 -41.335,-21.904 -41.081,-22.158 -40.065,-22.158 -40.065,-22.793 -41.335,-22.793 -41.462,-22.666 -42.732,-22.666 -42.859,-22.793 -42.859,-23.936 -43.367,-23.936 -43.367,-22.793 -43.494,-22.666 -43.937,-22.666 -43.937,-22.158 -43.627,-22.158 -43.291,-21.821
  region net NetC1_1: 101.81,-36.695 104.604,-36.695 105.463,-37.554 105.463,-40.023 108.867,-40.023 109.361,-39.529 109.361,-37.759 109.734,-37.759 109.734,-28.157 107.377,-25.8 105.135,-25.8 105.128,-35.425 101.81,-35.425
  region net GND: -60.705,-31.556 -57.671,-31.556 -58.132,-31.038 -58.132,-23.494 -56.574,-23.494 -56.574,-17.013 -59.403,-14.183 -61.012,-14.183 -61.012,-23.363 -60.705,-23.363
  region net VBAT: 109.493,0.876 109.532,0.774 113.039,0.774 114.055,-0.242 117.23,-0.242 117.448,-0.024 117.448,5.58 118.5,6.632 118.5,6.616 121.225,9.341 121.225,14.897 118.5,14.897 118.5,10.413 116.725,10.413 116.725,3.736 115.287,2.298 109.61,2.298 109.493,2.18
  region: 35.323,-19.063
  region net GND: 63.872,-14.929
  region: 66.615,-7.295
  region net GND: 64.284,-12.534 64.284,-15.6 57.016,-15.6 56.889,-15.473 56.889,-12.534
  region net BATTERY-: 80.15,8.357 80.15,-0.957 76.339,-0.957 74.72,0.662 74.72,6.795 74.764,6.839 74.764,8.116 74.561,8.319
  region: -70.985,-6.692
  region net GND: -64.502,-5.724 -61.226,-5.724 -61.164,-5.786 -61.164,-8.569 -64.479,-8.569 -64.502,-8.546
  region: -56.912,-29.525
  region net GND: 48.002,-8.222
  region: 54.55,-21.508
  region: 43.577,-14.952
  region: 42.816,-12.455
  region net VBAT: 29.404,-26.857
  region: 30.928,-21.777
  region net POS: -24.19,-13.268 -24.444,-13.014 -24.444,-12.76 -24.063,-12.379 -24.063,-9.839 -23.682,-9.458 -22.92,-9.458 -21.523,-10.855 -21.015,-10.855 -20.471,-11.399 -20.471,-13.106 -20.507,-13.141
  region net VBAT: -64.487,-0.672 -58.268,-0.672 -56.262,1.334 -52.075,1.334 -49.632,-1.108 -49.632,-5.029 -43.175,-5.029 -43.175,12.387 -63.987,12.387 -64.487,11.888
  region net 5VOUT_LDO: -42.732,-18.602 -42.605,-18.475 -42.605,-17.205 -43.621,-16.189 -43.621,-16.062 -44.022,-15.661 -45.433,-15.661 -45.678,-15.906 -45.678,-18.374 -45.45,-18.602
  region net NetL121_1: -43.748,-19.11 -43.748,-21.489 -44.67,-21.489 -44.67,-19.11
  region net BATTERY-: -63.636,-5.3 -60.864,-5.3 -60.334,-4.771 -60.334,-2.887 -60.461,-2.76 -63.636,-2.76 -63.89,-3.014 -63.89,-5.046
  region net NetC5_2: 20.757,-29.27 18.863,-29.27 17.593,-30.54 17.593,-34.223 17.72,-34.35 18.228,-34.35 18.355,-34.223 18.355,-32.826 18.482,-32.699 20.006,-32.699 20.133,-32.572 20.133,-31.073 20.79,-30.417 20.79,-29.27
  region net PWRS: -15.935,-11.24 -17.716,-11.24 -18.094,-11.617 -18.094,-13.903 -18.224,-14.034 -19.745,-14.034 -19.745,-17.205 -17.459,-17.205 -17.459,-16.189 -17.208,-15.939 -15.808,-15.939 -15.808,-15.431 -15.808,-14.669 -15.808,-14.161 -15.808,-13.399 -15.808,-11.367
  region net GND: -25.239,-22.437 -23.936,-22.437 -20.761,-22.437 -20.761,-24.444 -23.555,-24.444 -23.555,-23.27 -25.239,-23.27
  region net NetC302_1: -22.853,-18.678 -22.853,-19.175 -21.857,-20.171 -21.857,-21.65 -21.673,-21.65 -21.673,-20.666 -21.517,-20.511 -20.252,-20.511 -17.662,-23.101 -17.662,-23.94 -17.296,-23.94 -17.296,-20.511 -16.872,-20.511 -16.872,-19.749 -17.662,-19.749 -17.916,-20.003 -21.142,-20.003 -21.856,-19.288 -21.856,-18.678
  region net NetC6_1: 32.071,-45.145 32.071,-41.97 31.563,-41.462 30.013,-41.462 29.505,-41.97 26.483,-41.97 25.682,-42.771 29.444,-42.771 30.801,-44.129 30.801,-45.145
  text "TOP LAYER" at -8.696,-54.162 h1.52
L05_GND2:
  text "L05_GND2" at -8.188,-54.035 h1.52
L03_PWR1:
  text "L03_PWR1" at -8.569,-53.908 h1.52
L04_PWR2:
  text "L04_PWR2" at -8.696,-54.162 h1.52
L02_GND1:
  text "L02_GND1" at -8.061,-54.035 h1.52
Bottom Layer:
  text "BOTTOM LAYER" at -9.712,-54.162 h1.52

## Silkscreen, mask and mechanical layers (free items; w line width, h text height)
Top Overlay:
  region: -60.512,-14.01
  lines w0.203: -21.015,6.761 -21.015,5.237 ; -19.237,8.92 -12.252,8.92 -12.252,4.856 -22.031,4.856 -22.031,8.92 -19.11,8.92 ; -18.348,-28.127 -17.459,-28.889 ; -17.879,-18.246 -17.586,-17.953 -17.586,-10.601 ; -7.807,-37.779 -8.188,-37.779 -8.188,-44.383 -7.68,-44.383 ; 14.66,-23.894 15.676,-24.402 ; 16.311,-26.942 17.327,-26.688 ; -21.015,5.237 -21.523,5.872 -20.507,5.872 -21.015,5.237 ; -24.825,-29.016 -24.825,-26.349 -20.253,-26.349 -20.253,-29.016 -24.825,-29.016
  text "DEBUG" at 82.45,10.7 h1.52
  text "NEG" at 67.13,7.607 h1.52 r90
  text "B" at -21.396,7.142 h0.76
  text "VBAT" at -62.798,-1.203 h1.52
  text "3V3" at 74.5,-11 h0.76
  text "5V" at -34.274,-11.252 h0.76
  text "12V" at -53.849,-25.563 h0.76
  text "B" at -25.583,-29.008 h0.76
  text "Ground" at 57.678,-47.418 h0.76
  text "SILKSCREEN TOP" at -9.712,-54.162 h1.52
Bottom Overlay:
  drawing of 77 lines, arcs and shapes, not listed
  text "MATTERNET" at 32.976,-17.447 h2
  text "08-0003 Rev: 04.3" at 21.074,-21.118 h2
  text "V9 BMU" at 33.037,-21.571 h2
  text "COPYRIGHT (c) 2020 ALL RIGHTS RESERVED" at 32.856,-24.471 h2
  text "SERIAL NUMBER" at 32.976,-32.606 h2
  text "SILKSCREEN BOTTOM" at 12.386,-54.162 h1.52
Top Paste:
  text "TOP PASTE" at -8.569,-54.162 h1.52
Bottom Paste:
  text "BOTTOM PASTE" at -9.712,-54.289 h1.52
Top Solder:
  text "TOP SOLDER" at -8.569,-54.162 h1.52
Bottom Solder:
  text "BOTTOM SOLDER" at -9.839,-54.289 h1.52
Mechanical 3:
  drawing of 194 lines, arcs and shapes, not listed
outline:
  lines w0.127: -66.55,-47.23 -66.55,10.77 ; -66.5,-47.23 ccw(c-63.5,-47.23) -63.5,-50.23 ; -66.5,10.77 cw(c-63.5,10.77) -63.5,13.77 ; -63.5,-50.28 ccw(c-63.5,-50.23) -63.45,-50.231 63.45,-50.231 ccw(c63.5,-50.23) 63.5,-50.28 ; -63.5,13.82 cw(c-63.5,13.77) -63.45,13.771 63.45,13.771 cw(c63.5,13.77) 63.5,13.82 ; 63.5,-50.23 ccw(c63.5,-47.23) 66.5,-47.23 ; 63.5,13.77 cw(c63.5,10.77) 66.5,10.77 ; 66.55,-47.231 ccw(c63.5,-47.23) 66.55,-47.23 ; 66.55,-47.23 66.55,10.77 ; 66.55,-47.23 66.55,-47.23 ; 66.55,10.77 ccw(c66.5,10.77) 66.55,10.771
Drill Drawing:
  lines w0.203: 99.817,-110.233 100.184,-110.599
  lines w0.254: 95.063,18.228 124.146,18.228 ; 95.063,18.863 124.146,18.863 ; 95.698,-37.652 194.885,-37.652 ; 95.698,-37.017 195.012,-37.017 ; 91.312,-21.417 91.735,-21.417 92.158,-21.841 92.582,-21.417 93.005,-21.417 92.582,-20.994 93.005,-20.571 92.582,-20.571 92.158,-20.147 91.735,-20.571 91.312,-20.571 91.735,-20.994 91.312,-21.417 ; 91.312,-17.184 92.158,-18.031 93.005,-17.184 92.158,-16.337 91.312,-17.184 ; 91.312,-14.221 93.005,-14.221 93.005,-12.527 91.312,-12.527 91.312,-14.221 ; 91.65,-13.882 92.666,-13.882 92.666,-12.866 91.65,-12.866 91.65,-13.882
  lines w0.381: 89.793,-22.984 206.957,-22.984 ; 89.793,-11.554 206.957,-11.554 ; 103.785,-26.794 103.785,-7.744 ; 121.51,-26.794 121.51,-7.744 ; 155.688,-26.794 155.688,-7.744 ; 174.326,-26.794 174.326,-7.744 ; 187.176,-26.794 187.176,-7.744 ; 89.793,-26.794 206.957,-26.794 206.957,-7.744 89.793,-7.744 89.793,-26.794
  lines w0.508: 95.825,-117.408 187.265,-117.408 ; 95.825,-112.328 187.265,-112.328 ; 95.825,-107.248 187.265,-107.248 ; 95.825,-102.168 187.265,-102.168 ; 95.825,-97.088 187.265,-97.088 ; 95.825,-92.008 187.265,-92.008 ; 95.825,-86.928 187.265,-86.928 ; 95.825,-81.848 187.265,-81.848 ; 95.825,-76.768 187.265,-76.768 ; 95.825,-71.688 187.265,-71.688 ; 95.825,-66.608 187.265,-66.608 ; 95.825,-61.528 187.265,-61.528 ; 95.825,-56.448 187.265,-56.448 ; 95.825,-51.368 187.265,-51.368 ; 105.985,-122.488 105.985,-41.208 ; 128.845,-122.488 128.845,-41.208 ; 150.435,-122.488 150.435,-41.208 ; 173.295,-122.488 173.295,-41.208 ; 187.265,-46.288 95.825,-46.288 95.825,-41.208 ; 95.825,-41.208 95.825,-122.488 187.265,-122.488 187.265,-41.208 95.825,-41.208
  text "DRILL CHART:" at 95.698,19.752 h2.54
  text "Symbol" at 92.079,-10.411 h1.83
  text "Hit Count" at 104.928,-10.411 h1.83
  text "Finished Hole Size" at 122.653,-10.411 h1.83
  text "Tolerance" at 156.831,-10.411 h1.83
  text "Plated" at 175.469,-10.411 h1.83
  text "Hole Type" at 188.319,-10.411 h1.83
  text "381" at 104.928,-14.221 h1.52
  text "12.000mil" at 122.653,-14.221 h1.52
  text "PTH" at 175.469,-14.221 h1.52
  text "Round" at 188.319,-14.221 h1.52
  text "188" at 104.928,-18.031 h1.52
  text "20.000mil" at 122.653,-18.031 h1.52
  text "PTH" at 175.469,-18.031 h1.52
  text "Round" at 188.319,-18.031 h1.52
  text "92" at 104.928,-21.841 h1.52
  text "40.000mil" at 122.653,-21.841 h1.52
  text "PTH" at 175.469,-21.841 h1.52
  text "Round" at 188.319,-21.841 h1.52
  text "661 Total" at 104.928,-25.651 h1.52
  text "STACK-UP: TOTAL THICKNESS 98.6MILS +/-10%" at 95.571,-35.747 h2.54
  text "LAYER" at 97.095,-45.018 h1.52
  text "NAME" at 108.525,-45.018 h1.52
  text "MATERIAL" at 130.115,-45.018 h1.52
  text "THICKNESS" at 151.705,-45.018 h1.52
  text "CONSTANT" at 174.565,-45.018 h1.52
  text "1" at 99.635,-50.098 h1.52
  text "TOP OVERLAY" at 107.255,-50.098 h1.52
  text "2" at 99.635,-55.178 h1.52
  text "TOP SOLDER" at 107.255,-55.178 h1.52
  text "SOLDER RESIST" at 130.115,-55.178 h1.52
  text "0.80MIL" at 151.705,-55.178 h1.52
  text "3.5" at 175.835,-55.178 h1.52
  text "3" at 99.635,-60.258 h1.52
  text "TOP LAYER" at 107.255,-60.258 h1.52
  text "COPPER" at 130.115,-60.258 h1.52
  text "3.30MIL" at 151.705,-60.258 h1.52
  text "4" at 99.635,-65.338 h1.52
  text "DIELECTRIC 1" at 107.255,-65.338 h1.52
  text "FR-4" at 130.115,-65.338 h1.52
  text "16.00MIL(2XPLI)" at 151.705,-65.338 h1.52
  text "4.3" at 175.835,-65.338 h1.52
  text "5" at 99.635,-70.418 h1.52
  text "L02_GND1" at 107.255,-70.418 h1.52
  text "COPPER" at 130.115,-70.418 h1.52
  text "2.60MIL" at 151.705,-70.418 h1.52
  text "6" at 99.635,-75.498 h1.52
  text "DIELECTRIC 2" at 107.255,-75.498 h1.52
  text "FR-4" at 130.115,-75.498 h1.52
  text "16.00MIL(2XPLI)" at 151.705,-75.498 h1.52
  text "4.3" at 175.835,-75.498 h1.52
  text "7" at 99.635,-80.578 h1.52
  text "L03_PWR1" at 107.255,-80.578 h1.52
  text "COPPER" at 130.115,-80.578 h1.52
  text "2.60MIL" at 151.705,-80.578 h1.52
  text "8" at 99.635,-85.658 h1.52
  text "DIELECTRIC 3" at 107.255,-85.658 h1.52
  text "FR-4" at 130.115,-85.658 h1.52
  text "16.00MIL(2XPLI)" at 151.705,-85.658 h1.52
  text "4.3" at 175.835,-85.658 h1.52
  text "9" at 99.635,-90.738 h1.52
  text "L04_PWR2" at 107.255,-90.738 h1.52
  text "COPPER" at 130.115,-90.738 h1.52
  text "2.60MIL" at 151.705,-90.738 h1.52
  text "10" at 99.635,-95.818 h1.52
  text "DIELECTRIC 4" at 107.255,-95.818 h1.52
  text "FR-4" at 130.115,-95.818 h1.52
  text "16.00MIL(2XPLI)" at 151.705,-95.818 h1.52
  text "4.3" at 175.835,-95.818 h1.52
  text "11" at 99.635,-100.898 h1.52
  text "L05_GND2" at 107.255,-100.898 h1.52
  text "COPPER" at 130.115,-100.898 h1.52
  text "2.60MIL" at 151.705,-100.898 h1.52
  text "12" at 99.635,-105.978 h1.52
  text "DIELECTRIC 5" at 107.255,-105.978 h1.52
  text "FR-4" at 130.115,-105.978 h1.52
  text "16.00MIL(2XPLI)" at 151.705,-105.978 h1.52
  text "4.3" at 175.835,-105.978 h1.52
  text "13" at 99.635,-111.058 h1.52
  text "BOTTOM LAYER" at 107.255,-111.058 h1.52
  text "COPPER" at 130.115,-111.058 h1.52
  text "3.30MIL" at 151.705,-111.058 h1.52
  text "14" at 99.635,-116.138 h1.52
  text "BOTTOM SOLDER" at 107.255,-116.138 h1.52
  text "SOLDER RESIST" at 130.115,-116.138 h1.52
  text "0.80MIL" at 151.705,-116.138 h1.52
  text "3.5" at 175.835,-116.138 h1.52
  text "15" at 99.635,-121.218 h1.52
  text "BOTTOM OVERLAY" at 107.255,-121.218 h1.52

## Dimensions
63.5,10.77 to 74.3,20.95 on Drill Drawing
-66.414,8.4 to 66.586,7.3 on Drill Drawing
68.7,13.75 to 66.85,-50.25 on Drill Drawing

## Text inside footprints (layer, text, board x,y; h text height)
J1: Mechanical 13 "1" at -9.496,-27.858 h0.64 r180; Mechanical 13 "11" at 5.758,-27.858 h0.64 r180; Mechanical 13 "12" at 7.258,-27.858 h0.64 r180; Mechanical 13 "8" at 1.004,-27.858 h0.64 r180; Mechanical 13 "7" at -0.496,-27.858 h0.64 r180; Mechanical 13 "14" at 10.258,-27.858 h0.64 r180; Mechanical 13 "2" at -7.996,-27.858 h0.64 r180; Mechanical 13 "6" at -1.996,-27.858 h0.64 r180; Mechanical 13 "4" at -4.996,-27.858 h0.64 r180; Mechanical 13 "13" at 8.758,-27.858 h0.64 r180; Mechanical 13 "3" at -6.496,-27.858 h0.64 r180; Mechanical 13 "5" at -3.496,-27.858 h0.64 r180; Mechanical 13 "9" at 2.504,-27.858 h0.64 r180; Mechanical 13 "10" at 4.258,-27.858 h0.64 r180
J4: Mechanical 13 "5" at 1.077,-17.361 h0.64 r180; Mechanical 13 "3" at -1.923,-17.361 h0.64 r180; Mechanical 13 "4" at -0.423,-17.361 h0.64 r180; Mechanical 13 "6" at 2.577,-17.361 h0.64 r180; Mechanical 13 "2" at -3.423,-17.361 h0.64 r180; Mechanical 13 "7" at 4.077,-17.361 h0.64 r180; Mechanical 13 "8" at 5.577,-17.361 h0.64 r180; Mechanical 13 "1" at -4.923,-17.361 h0.64 r180
J7: Bottom Overlay "P8" at 32.814,9.479 h1.52; Bottom Overlay "P7" at 27.734,9.479 h1.52; Bottom Overlay "P6" at 22.019,9.479 h1.52; Bottom Overlay "P5" at 16.304,9.479 h1.52; Bottom Overlay "P1" at -30.686,9.479 h1.52; Bottom Overlay "P2" at -24.971,9.479 h1.52; Bottom Overlay "P3" at -19.256,9.479 h1.52; Bottom Overlay "P4" at -14.176,9.479 h1.52; Bottom Overlay "1" at -10.176,-3.602 h1.14; Bottom Overlay "17" at -9.922,1.478 h1.14; Bottom Overlay "8" at 11.16,-3.856 h1.14; Bottom Overlay "9" at -10.176,-1.062 h1.14; Bottom Overlay "16" at 12.176,-1.062 h1.14; Bottom Overlay "24" at 12.43,1.478 h1.14; Mechanical 4 "J1" at 7.029,3.281 h1.6